# KiCad board Combined.kicad_pcb (continued)
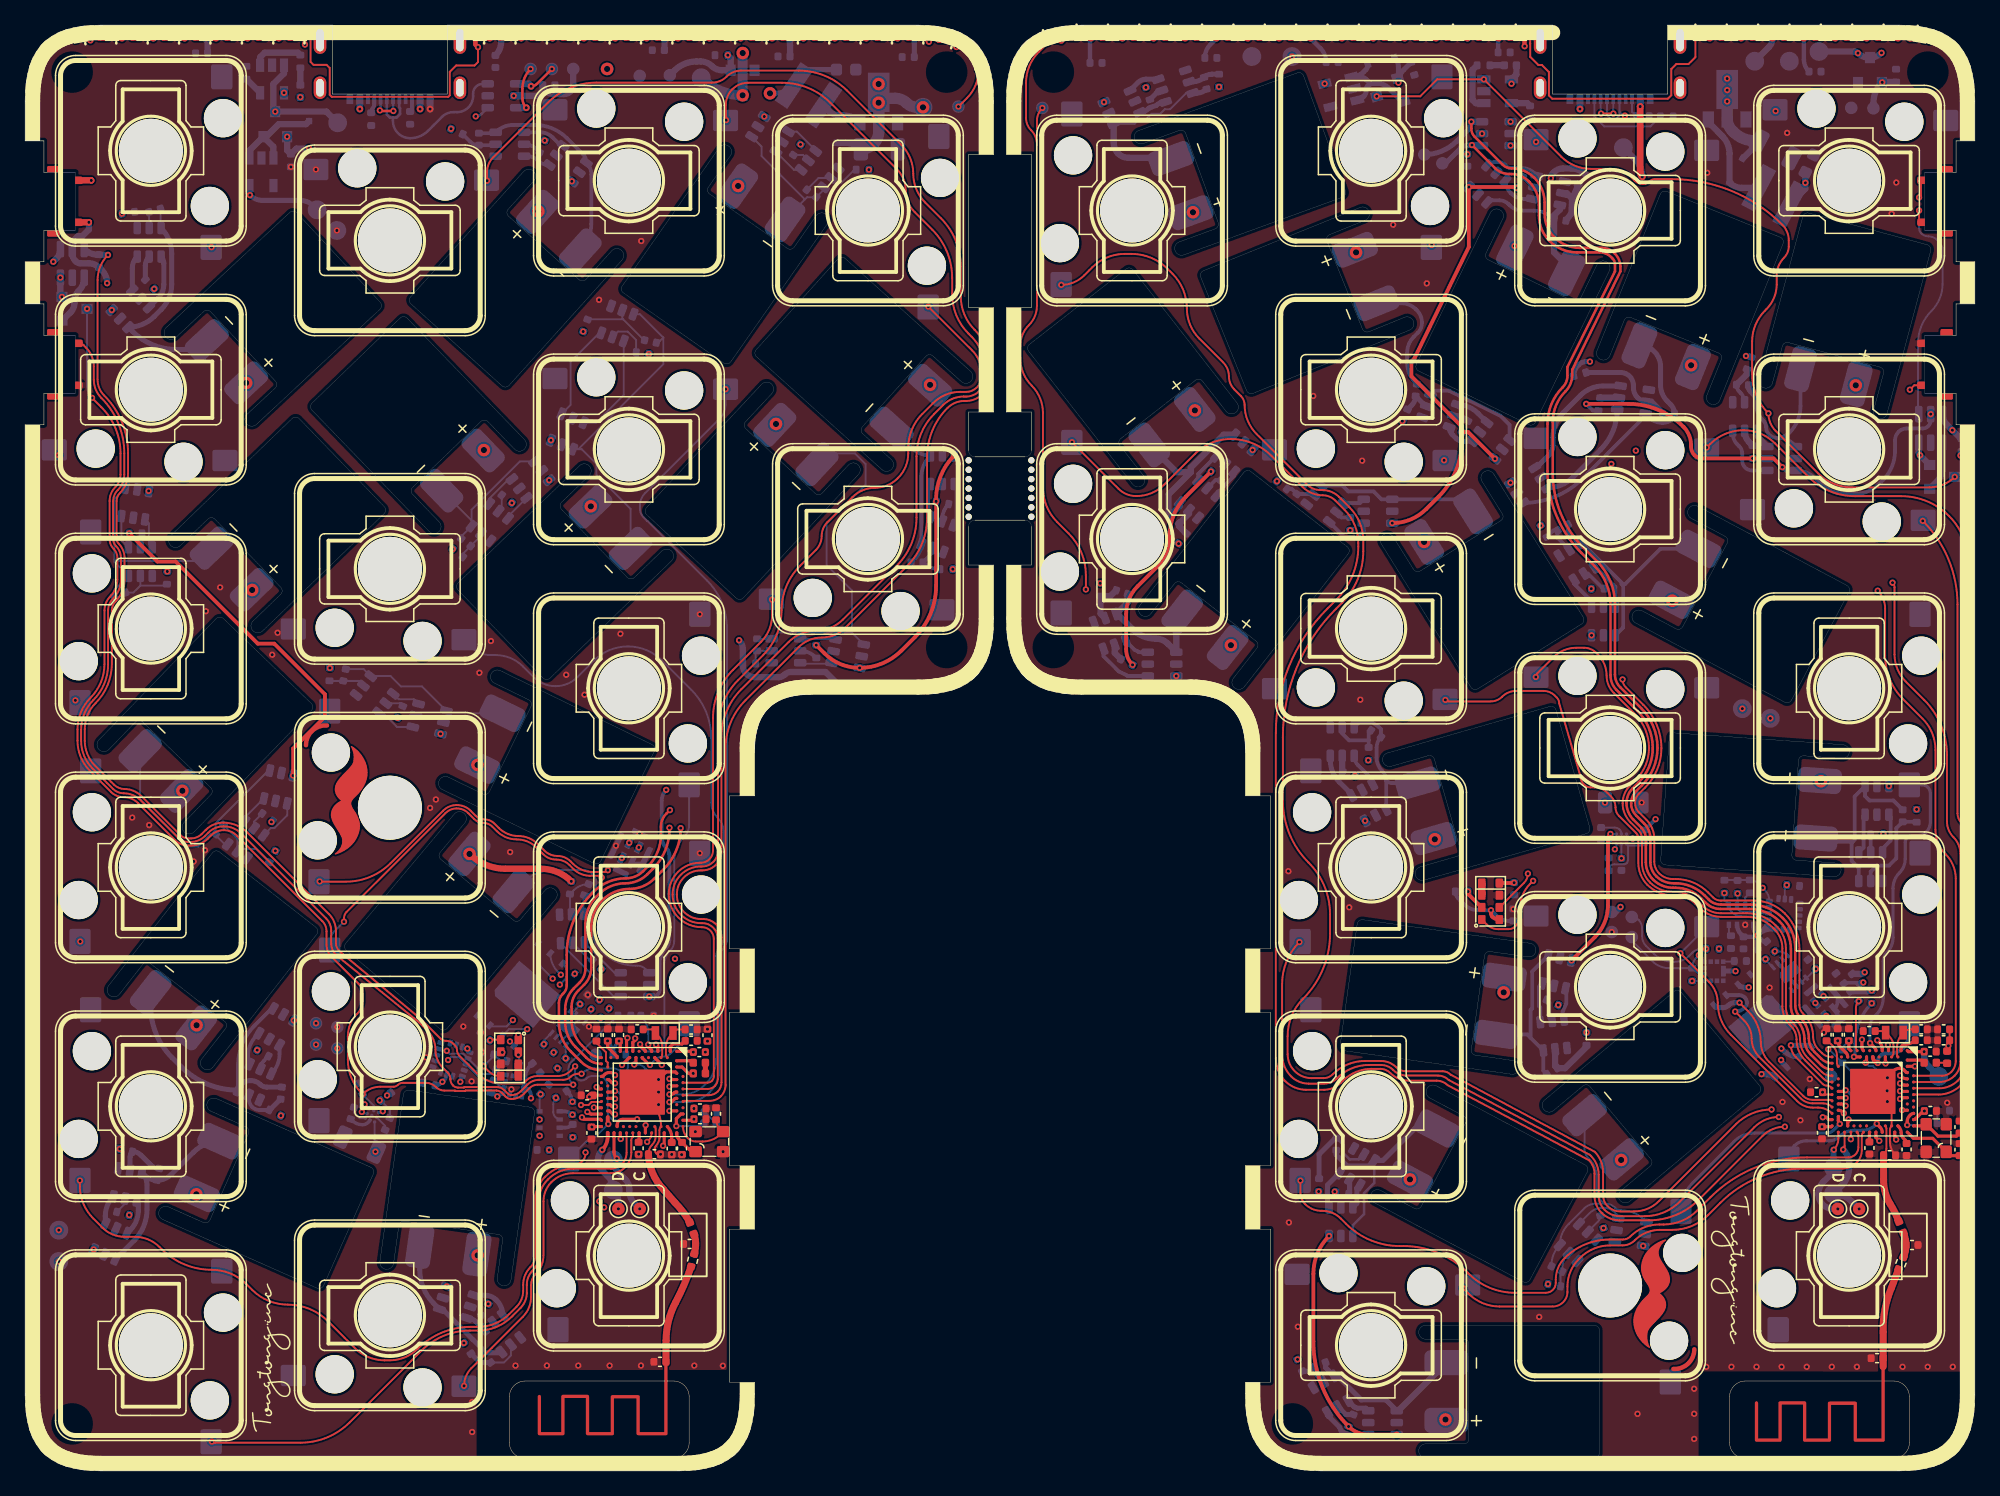
[diagram p0: board, top side]
## Placement (name value [footprint] x y rotation side) (continued)
R51#2  10K  [R_0402_1005Metric]  136.48 46.57 90 bottom
R52  10K  [R_0402_1005Metric]  42.76 32.51 230 bottom
R52#2  10K  [R_0402_1005Metric]  138.38 41.2 130 bottom
R53  10K  [R_0402_1005Metric]  41.74 33.7 320 bottom
R53#2  10K  [R_0402_1005Metric]  139.12 41.82 130 bottom
R54  10K  [R_0402_1005Metric]  38.87 32.54 164 bottom
R54#2  10K  [R_0402_1005Metric]  114.49 46.2 180 bottom
R55  10K  [R_0402_1005Metric]  37.04 32.15 166 bottom
R55#2  10K  [R_0402_1005Metric]  134.49 41.64 0 bottom
R56  10K  [R_0402_1005Metric]  37.24 30.65 256 bottom
R56#2  10K  [R_0402_1005Metric]  132.86 39.58 270 bottom
REF**  -  [TestPoint_Pad_D1.0mm]  144.47 20.89 270 top
REF**#2  -  [TestPoint_Pad_D1.0mm]  47.29 20.9 90 top
REF**#3  -  [TestPoint_Pad_D1.0mm]  48.99 20.9 90 top
REF**#4  -  [TestPoint_Pad_D1.0mm]  146.17 20.89 270 top
REF**#5  -  [TestPoint_Pad_D1.0mm]  46.39 111.8 90 bottom
REF**#6  -  [TestPoint_Pad_D1.5mm]  24.85 98.92 270 bottom
REF**#7  -  [TestPoint_Pad_D1.0mm]  48.99 111.25 270 bottom
REF**#8  -  [TestPoint_Pad_D1.0mm]  147.31 108.66 180 bottom
REF**#9  -  [TestPoint_Pad_D1.5mm]  142.97 113.19 90 bottom
REF**#10  -  [TestPoint_Pad_D1.5mm]  127.39 105.52 90 bottom
REF**#11  -  [TestPoint_Pad_D1.5mm]  46.89 24.8 180 bottom
REF**#12  -  [TestPoint_Pad_D1.0mm]  128.05 44.17 270 bottom
REF**#13  -  [TestPoint_Pad_D1.5mm]  24.91 107.51 270 bottom
REF**#14  -  [TestPoint_Pad_D1.5mm]  140.61 112.42 90 bottom
REF**#15  -  [TestPoint_Pad_D1.0mm]  24.89 35.4 270 bottom
REF**#16  -  [TestPoint_Pad_D1.5mm]  46.89 22.4 180 bottom
REF**#17  -  [TestPoint_Pad_D1.5mm]  139.09 60.01 90 bottom
REF**#18  -  [TestPoint_Pad_D1.5mm]  97.77 112.79 270 bottom
REF**#19  -  [TestPoint_Pad_D1.0mm]  111.52 104.97 64 bottom
REF**#20  -  [TestPoint_Pad_D1.0mm]  24.89 33.7 270 bottom
REF**#21  -  [TestPoint_Pad_D1.0mm]  128.05 42.57 270 bottom
REF**#22  -  [TestPoint_Pad_D1.5mm]  53.89 111.1 270 bottom
REF**#23  -  [TestPoint_Pad_D1.5mm]  100.97 112.79 270 bottom
REF**#24  -  [TestPoint_Pad_D1.5mm]  144.12 22.09 90 bottom
REF**#25  -  [TestPoint_Pad_D1.5mm]  2.69 19.2 90 bottom
REF**#26  -  [TestPoint_Pad_D1.5mm]  144.12 24.19 90 bottom
REF**#27  -  [TestPoint_Pad_D1.0mm]  43.69 111.8 90 bottom
REF**#28  -  [TestPoint_Pad_D1.0mm]  126.45 44.57 90 bottom
REF**#29  -  [TestPoint_Pad_D1.0mm]  126.45 42.97 90 bottom
REF**#30  -  [TestPoint_Pad_D1.0mm]  81.07 108.69 90 bottom
REF**#31  -  [TestPoint_Pad_D1.5mm]  2.69 16.7 90 bottom
REF**#32  -  [TestPoint_Pad_D1.0mm]  23.19 34 270 bottom
REF**#33  -  [TestPoint_Pad_D1.0mm]  45.49 33.2 0 bottom
REF**#34  -  [TestPoint_Pad_D1.0mm]  41.99 111.8 90 bottom
REF**#35  -  [TestPoint_Pad_D1.5mm]  136.87 60.79 90 bottom
REF**#36  -  [TestPoint_Pad_D1.0mm]  112.95 104.27 64 bottom
REF**#37  -  [TestPoint_Pad_D1.5mm]  71.56 108.74 270 bottom
REF**#38  -  [TestPoint_Pad_D1.0mm]  145.55 108.7 180 bottom
REF**#39  -  [TestPoint_Pad_D1.0mm]  23.19 35.7 270 bottom
REF**#40  -  [TestPoint_Pad_D1.5mm]  152.52 31.46 90 bottom
REF**#41  -  [TestPoint_Pad_D1.0mm]  74.39 108.8 270 bottom
REF**#42  -  [TestPoint_Pad_D1.5mm]  137.85 112.42 90 bottom
REF**#43  -  [TestPoint_Pad_D1.0mm]  143.95 31.47 180 bottom
REF**#44  -  [TestPoint_Pad_D1.0mm]  51.39 111.3 270 bottom
REF**#45  -  [TestPoint_Pad_D1.5mm]  23.28 100.57 270 bottom
REF**#46  -  [TestPoint_Pad_D1.0mm]  40.29 111.8 90 bottom
TH1  Thermistor_NTC  [R_0402_1005Metric]  28.76 29.85 38 bottom
TH1#2  Thermistor_NTC  [R_0402_1005Metric]  129.03 50.6 90 bottom
U1  AP2112K-3.3  [SOT-23-5]  104.87 109.97 194 bottom
U1#2  AP2112K-3.3  [SOT-23-5]  18.84 103.6 270 bottom
U2  -  [Button]  151.4 101.25 270 top
U2#2  -  [Button]  4 101.25 90 top
U3  MAX16054  [SOT-23-6]  151.87 83.13 270 bottom
U3#2  MAX16054  [SOT-23-6]  3.76 96.3 270 bottom
U4  WS2812B_-_1010  [Led-ARGB]  4.34 114.45 100 top
U4#2  WS2812B_-_1010  [Led-ARGB]  151.06 114.45 260 top
U5  WS2812B_-_1010  [Led-ARGB]  6.92 114.58 90 top
U5#2  WS2812B_-_1010  [Led-ARGB]  148.47 114.59 270 top
U6  WS2812B_-_1010  [Led-ARGB]  145.97 114.59 270 top
U6#2  WS2812B_-_1010  [Led-ARGB]  9.42 114.58 90 top
U7  WS2812B_-_1010  [Led-ARGB]  11.92 114.58 90 top
U7#2  WS2812B_-_1010  [Led-ARGB]  143.47 114.59 270 top
U8  WS2812B_-_1010  [Led-ARGB]  140.97 114.59 270 top
U8#2  WS2812B_-_1010  [Led-ARGB]  14.42 114.58 90 top
U9  WS2812B_-_1010  [Led-ARGB]  16.93 114.58 90 top
U9#2  WS2812B_-_1010  [Led-ARGB]  138.47 114.59 270 top
U10  WS2812B_-_1010  [Led-ARGB]  19.43 114.58 90 top
U10#2  WS2812B_-_1010  [Led-ARGB]  135.97 114.59 270 top
U11  WS2812B_-_1010  [Led-ARGB]  133.47 114.59 270 top
U11#2  WS2812B_-_1010  [Led-ARGB]  21.92 114.58 90 top
U12  WS2812B_-_1010  [Led-ARGB]  36.24 114.58 90 top
U12#2  WS2812B_-_1010  [Led-ARGB]  119.15 114.59 270 top
U13  WS2812B_-_1010  [Led-ARGB]  116.65 114.59 270 top
U13#2  WS2812B_-_1010  [Led-ARGB]  38.74 114.58 90 top
U14  WS2812B_-_1010  [Led-ARGB]  114.15 114.59 270 top
U14#2  WS2812B_-_1010  [Led-ARGB]  41.24 114.58 90 top
U15  WS2812B_-_1010  [Led-ARGB]  111.65 114.59 270 top
U15#2  WS2812B_-_1010  [Led-ARGB]  43.74 114.58 90 top
U16  WS2812B_-_1010  [Led-ARGB]  109.15 114.59 270 top
U16#2  WS2812B_-_1010  [Led-ARGB]  46.24 114.58 90 top
U17  WS2812B_-_1010  [Led-ARGB]  106.65 114.59 270 top
U17#2  WS2812B_-_1010  [Led-ARGB]  48.74 114.58 90 top
U18  WS2812B_-_1010  [Led-ARGB]  104.15 114.59 270 top
U18#2  WS2812B_-_1010  [Led-ARGB]  51.24 114.58 90 top
U19  WS2812B_-_1010  [Led-ARGB]  101.65 114.59 270 top
U19#2  WS2812B_-_1010  [Led-ARGB]  53.74 114.58 90 top
U20  WS2812B_-_1010  [Led-ARGB]  99.15 114.59 270 top
U20#2  WS2812B_-_1010  [Led-ARGB]  56.24 114.58 90 top
U21  WS2812B_-_1010  [Led-ARGB]  58.74 114.58 90 top
U21#2  WS2812B_-_1010  [Led-ARGB]  96.65 114.59 270 top
U22  WS2812B_-_1010  [Led-ARGB]  61.24 114.58 90 top
U22#2  WS2812B_-_1010  [Led-ARGB]  94.15 114.59 270 top
U23  WS2812B_-_1010  [Led-ARGB]  63.74 114.58 90 top
U23#2  WS2812B_-_1010  [Led-ARGB]  91.65 114.59 270 top
U24  WS2812B_-_1010  [Led-ARGB]  89.15 114.59 270 top
U24#2  WS2812B_-_1010  [Led-ARGB]  66.24 114.58 90 top
U25  WS2812B_-_1010  [Led-ARGB]  86.65 114.59 270 top
U25#2  WS2812B_-_1010  [Led-ARGB]  68.74 114.58 90 top
U26  WS2812B_-_1010  [Led-ARGB]  71.24 114.58 90 top
U26#2  WS2812B_-_1010  [Led-ARGB]  84.15 114.59 270 top
U27  WS2812B_-_1010  [Led-ARGB]  73.7 114.28 72 top
U27#2  WS2812B_-_1010  [Led-ARGB]  81.69 114.28 288 top
U28  USBLC6-2SC6  [SOT-23-6-Small]  117.25 106.64 180 bottom
U28#2  USBLC6-2SC6  [SOT-23-6-Small]  38.01 109.66 0 bottom
U29  -  [Button]  4 88.25 90 top
U29#2  -  [Button]  151.4 88.25 270 top
U30  nRF52840_aQFN73  [AQFN-73-1EP_7x7mm_P0.5mm_NRF52840-custom]  147.26 30.26 270 top
U30#2  nRF52840_aQFN73  [AQFN-73-1EP_7x7mm_P0.5mm_NRF52840-custom]  49.19 30.21 270 top
U31  MAX17055  [WLP-9_1.448x1.468mm_Layout3x3_P0.4mm_Ball0.27mm_Pad0.25mm]  27.64 28.35 248 bottom
U31#2  MAX17055  [WLP-9_1.448x1.468mm_Layout3x3_P0.4mm_Ball0.27mm_Pad0.25mm]  127.23 50.4 90 bottom
U32  BL8530_501SM  [SOT-89-3]  135.65 109.42 90 bottom
U32#2  BL8530_501SM  [SOT-89-3]  68.04 109.2 90 bottom
U33  TP4054  [SOT-23-5]  19.69 111 270 bottom
U33#2  TP4054  [SOT-23-5]  117.36 110.02 0 bottom
U34  LSM6DS33  [LGA-16_3x3mm_P0.5mm_LayoutBorder3x5y]  33.99 32.8 162 bottom
U34#2  LSM6DS33  [LGA-16_3x3mm_P0.5mm_LayoutBorder3x5y]  140.16 44.38 356 bottom
U35  BMP280  [Bosch_LGA-8_2x2.5mm_P0.65mm_ClockwisePinNumbering]  41.81 27.7 90 bottom
U35#2  BMP280  [Bosch_LGA-8_2x2.5mm_P0.65mm_ClockwisePinNumbering]  136.76 44.35 180 bottom
U36  SHT30-DIS  [Sensirion_DFN-8-1EP_2.5x2.5mm_P0.5mm_EP1.1x1.7mm]  140.62 39.75 310 bottom
U36#2  SHT30-DIS  [Sensirion_DFN-8-1EP_2.5x2.5mm_P0.5mm_EP1.1x1.7mm#2]  43.29 35.35 50 bottom
U37  -  [APDS-9960]  38.61 32.94 0 top
U37#2  -  [APDS-9960]  116.8 45.42 180 top
U38  PDM_Mic  [SPK0415HM4H]  143.44 37.07 40 bottom
U38#2  PDM_Mic  [SPK0415HM4H]  48.24 49.3 334 bottom
U39  GD25Q  [WSON8]  138.48 35.48 310 bottom
U39#2  GD25Q  [WSON8]  39.94 38 50 bottom
U40  LIS3MDL  [LGA-12_2x2mm_P0.5mm]  38.99 30.7 260 bottom
U40#2  LIS3MDL  [LGA-12_2x2mm_P0.5mm]  134.59 39.85 270 bottom
X1  32.768 kHz  [Crystal_SMD_2012-2Pin_2.0x1.2mm]  50.94 34.93 180 top
X1#2  32.768 kHz  [Crystal_SMD_2012-2Pin_2.0x1.2mm]  148.98 34.95 180 top
X2  32MHZ  [crystal 32mhz]  152.31 26.54 90 top
X2#2  32MHZ  [crystal 32mhz]  54.54 26.26 0 top

## Library data of the parts
X1 X1#2 = -: Digikey: 728-1075-1-ND; JLC Part: C93231; LCSC Part: C97607; Manufacturer Part: SC20S-12.5PF20PPM

## Footprints (pads in the part's own frame, mm; a bottom-side part is the same pattern mirrored in y, then rotated)
2.4GHz-meander-antenna-v2
  custom 10.346x5.981 smd: 1(0,0)
APDS-9960
  rrect 0.6x0.72 smd: 1(0.7,1.455) 2(0.7,0.485) 3(0.7,-0.485) 4(0.7,-1.455) 5(-0.7,-1.455) 6(-0.7,-0.485) 7(-0.7,0.485) 8(-0.7,1.455)
AQFN-73-1EP_7x7mm_P0.5mm_NRF52840-custom
  rrect 0.575x0.575 smd: (-1.5,1.5) (-1.5,0.5) (-1.5,-0.5) (-1.5,-1.5) (-0.5,1.5) (-0.5,0.5) (-0.5,-0.5) (-0.5,-1.5) (0.5,1.5) (0.5,0.5) (0.5,-0.5) (0.5,-1.5) (1.5,1.5) (1.5,0.5) (1.5,-0.5) (1.5,-1.5)
  round 0.25 smd: A8(-1.25,3.25) A10(-0.75,3.25) A12(-0.25,3.25) A14(0.25,3.25) A16(0.75,3.25) A18(1.25,3.25) A20(1.75,3.25) A22(2.25,3.25) A23(2.75,3.25) AA24(3.25,-2.25) AB2(-2.75,-2.5) AC5(-2,-2.75) AC9(-1,-2.75) AC11(-0.5,-2.75) AC13(0,-2.75) AC15(0.5,-2.75) AC17(1,-2.75) AC19(1.5,-2.75) AC21(2,-2.75) AC24(3.25,-2.75) AD2(-2.75,-3.25) AD4(-2.25,-3.25) AD6(-1.75,-3.25) AD8(-1.25,-3.25) AD10(-0.75,-3.25) AD12(-0.25,-3.25) AD14(0.25,-3.25) AD16(0.75,-3.25) AD18(1.25,-3.25) AD20(1.75,-3.25) AD22(2.25,-3.25) AD23(2.75,-3.25) B1(-3.25,2.75) B3(-2.5,2.75) B5(-2,2.75) B7(-1.5,2.75) B9(-1,2.75) B11(-0.5,2.75) B13(0,2.75) B15(0.5,2.75) B17(1,2.75) B19(1.5,2.75) B24(3.25,2.75) C1(-3.25,2.25) D2(-2.75,2) D23(2.75,2) E24(3.25,1.75) F2(-2.75,1.5) F23(2.75,1.5) G1(-3.25,1.25) H2(-2.75,1) H23(2.75,1) J1(-3.25,0.75) J24(3.25,0.75) K2(-2.75,0.5) L1(-3.25,0.25) L24(3.25,0.25) M2(-2.75,0) N1(-3.25,-0.25) N24(3.25,-0.25) P2(-2.75,-0.5) P23(2.75,-0.5) R1(-3.25,-0.75) R24(3.25,-0.75) T2(-2.75,-1) T23(2.75,-1) U1(-3.25,-1.25) U24(3.25,-1.25) V23(2.75,-1.5) W1(-3.25,-1.75) W24(3.25,-1.75) Y2(-2.75,-2) Y23(2.75,-2)
  rect 3.6x3.6 smd: EP(0,0)
BatteryV2
  rrect 2x3.5 smd far side: 1(2.775,-12) 2(7.375,-12)
Bosch_LGA-8_2x2.5mm_P0.65mm_ClockwisePinNumbering
  rect 0.35x0.5 smd: 1(-0.975,0.8) 2(-0.325,0.8) 3(0.325,0.8) 4(0.975,0.8) 5(0.975,-0.8) 6(0.325,-0.8) 7(-0.325,-0.8) 8(-0.975,-0.8)
Button
  rrect 0.5x1 smd: 1(2.57,1.75) 4(-2.57,1.75)
  rrect 0.6x0.6 smd: 2(-1.675,-0.3) 3(1.675,-0.3)
C_0402_1005Metric
  rrect 0.56x0.62 smd: 1(-0.48,0) 2(0.48,0)
C_0603_1608Metric
  rrect 0.9x0.95 smd: 1(-0.775,0) 2(0.775,0)
C_1206_3216Metric
  rrect 1.15x1.8 smd: 1(-1.475,0) 2(1.475,0)
crystal 32mhz
  rrect 1x0.9 smd: 1(-1.1,-0.8) 2(1.1,-0.8) 3(1.1,0.8) 4(-1.1,0.8)
Crystal_SMD_2012-2Pin_2.0x1.2mm
  rect 0.6x1.1 smd: 1(-0.7,0) 2(0.7,0)
D_SOD-323F
  rect 0.5x0.5 smd: 1(-1.1,0) 2(1.1,0)
GateronHotswap
  round 3.05 hole 3.05 unplated: (-4.4,-4.7) (2.6,-5.75)
  round 5.1 hole 5.1 unplated: (0,0)
  rrect 2x1.7 smd far side: 1(5.901,-5.65) 2(-7.701,-4.8)
L_0402_1005Metric
  rrect 0.59x0.64 smd: 1(-0.485,0) 2(0.485,0)
L_Taiyo-Yuden_NR-40xx
  rect 1.2x3.7 smd: 1(-1.4,0) 2(1.4,0)
Led-ARGB
  rrect 0.35x0.35 smd: 1(-0.35,0.35) 2(0.35,0.35) 3(-0.35,-0.35) 4(0.35,-0.35)
LED_0402_1005Metric
  rrect 0.59x0.64 smd: 1(-0.485,0) 2(0.485,0)
LGA-12_2x2mm_P0.5mm
  rect 0.375x0.35 smd: 1(-0.762,0.75) 2(-0.762,0.25) 3(-0.762,-0.25) 4(-0.762,-0.75) 7(0.762,-0.75) 8(0.762,-0.25) 9(0.762,0.25) 10(0.762,0.75)
  rect 0.35x0.375 smd: 5(-0.25,-0.762) 6(0.25,-0.762) 11(0.25,0.762) 12(-0.25,0.762)
LGA-16_3x3mm_P0.5mm_LayoutBorder3x5y
  rrect 0.55x0.35 smd: 1(-1.225,1) 2(-1.225,0.5) 3(-1.225,0) 4(-1.225,-0.5) 5(-1.225,-1) 9(1.225,-1) 10(1.225,-0.5) 11(1.225,0) 12(1.225,0.5) 13(1.225,1)
  rrect 0.35x0.55 smd: 6(-0.5,-1.225) 7(0,-1.225) 8(0.5,-1.225) 14(0.5,1.225) 15(0,1.225) 16(-0.5,1.225)
R_0402_1005Metric
  rrect 0.54x0.64 smd: 1(-0.51,0) 2(0.51,0)
R_1206_3216Metric
  rrect 1.125x1.75 smd: 1(-1.462,0) 2(1.462,0)
Sensirion_DFN-8-1EP_2.5x2.5mm_P0.5mm_EP1.1x1.7mm
  custom 0.9x1.6 smd: (0,0)
  rect 0.55x0.25 smd: 1(-1.175,0.75) 2(-1.175,0.25) 3(-1.175,-0.25) 4(-1.175,-0.75) 5(1.175,-0.75) 6(1.175,-0.25) 7(1.175,0.25) 8(1.175,0.75)
  custom 1x1.7 smd: 9(0,0)
Sensirion_DFN-8-1EP_2.5x2.5mm_P0.5mm_EP1.1x1.7mm#2
  custom 0.9x1.6 smd: (0,0)
  rect 0.55x0.25 smd: 1(-1.175,0.75) 2(-1.175,0.25) 3(-1.175,-0.25) 4(-1.175,-0.75) 5(1.175,-0.75) 6(1.175,-0.25) 7(1.175,0.25) 8(1.175,0.75)
  custom 1x1.7 smd: 9(0,0)
SolderBridge
  custom 1.725x1.5 smd: 1(-0.975,0.5) 2(0.975,-0.5)
SOT-23
  rect 0.9x0.8 smd: 1(-1,0.95) 2(-1,-0.95) 3(1,0)
SOT-23-5
  rect 1.06x0.65 smd: 1(-1.1,0.95) 2(-1.1,0) 3(-1.1,-0.95) 4(1.1,-0.95) 5(1.1,0.95)
SOT-23-6
  rrect 1.325x0.6 smd: 1(-1.137,0.95) 2(-1.137,0) 3(-1.137,-0.95) 4(1.137,-0.95) 5(1.137,0) 6(1.137,0.95)
SOT-23-6-Small
  rrect 1x0.6 smd: 1(-1.137,0.95) 2(-1.137,0) 3(-1.137,-0.95) 4(1.137,-0.95) 5(1.137,0) 6(1.137,0.95)
SOT-23-6-Small#2
  rrect 1x0.6 smd: 1(-1.137,0.95) 2(-1.137,0) 3(-1.137,-0.95) 4(1.137,-0.95) 5(1.137,0) 6(1.137,0.95)
SOT-89-3
  rect 1.3x0.9 smd: 1(-1.65,1.5) 3(-1.65,-1.5)
  custom 4.6x1.733 smd: 2(-1.562,0)
SPK0415HM4H
  rrect 0.45x0.95 smd: 1(0.425,-0.675) 2(0.425,0.675) 3(-0.425,0.675) 4(-0.425,-0.675)
  rrect 1.3x0.45 smd: 5(0,-1.688) 7(0,1.688)
  rrect 0.45x2.3 smd: 6(1.275,0.05) 8(-1.275,0)
TestPoint_Pad_D1.0mm
  round 1 smd: 1(0,0)
TestPoint_Pad_D1.5mm
  round 1.5 smd: 1(0,0)
unnamed
  round 0.5 hole 0.5 unplated: (0,0)
USB-C_C168688
  rect 0.54x0.8 smd: A1(-3.205,-0.4) A1(3.195,-0.4) A4(-2.405,-0.4) A4(2.395,-0.4)
  rect 0.3x0.8 smd: A5(1.245,-0.4) A6(0.245,-0.4) A7(-0.255,-0.4) A8(-1.255,-0.4) B5(-1.755,-0.4) B6(-0.755,-0.4) B7(0.745,-0.4) B8(1.753,-0.4)
  oval 1x2.2 hole 0.6x1.8: S1(-5.58,4.3) S2(5.57,4.3)
  oval 1x1.8 hole 0.6x1.4: S3(5.571,0.5) S4(-5.58,0.5)
WLP-9_1.448x1.468mm_Layout3x3_P0.4mm_Ball0.27mm_Pad0.25mm
  round 0.27 smd: A1(-0.4,0.4) A2(0,0.4) A3(0.4,0.4) B1(-0.4,0) B2(0,0) B3(0.4,0) C1(-0.4,-0.4) C2(0,-0.4) C3(0.4,-0.4)
WSON8
  rrect 0.6x0.4 smd: 1(-3.75,1.905) 2(-3.75,0.635) 3(-3.75,-0.635) 4(-3.77,-1.905) 5(3.73,-1.905) 6(3.75,-0.635) 7(3.75,0.635) 8(3.75,1.905)
  rrect 3.4x4.3 smd: 9(0,0)

## Nets
/ExtVcc/GND_EN: Q33.1 Q33#2.1 R46.1 R46#2.1 REF**#8.1 REF**#44.1 U30.R1 U30#2.R1
/Filter&Reg/VBAT: C42.1 C42#2.1 Q1.3 Q1#2.3 Q2.3 Q2#2.3 R40.1 R40#2.1 REF**#13.1 REF**#23.1 U31.B1 U31#2.B1 U33.3 U33#2.3
GND: C16.1 C16#2.1 C17.1 C17#2.1 C18.1 C18#2.1 C19.1 C19#2.1 C20.1 C20#2.1 C21.2 C21#2.2 C22.2 C22#2.2 C23.2 C23#2.2 C24.1 C24#2.1 C25.1 C25#2.1 C26.1 C26#2.1 C27.1 C27#2.1 C28.1 C28#2.1 C29.2 C29#2.2 C30.2 C30#2.2 C31.1 C31#2.1 C32.1 C32#2.1 C33.1 C33#2.1 C34.1 C34#2.1 C35.1 C35#2.1 C36.1 C36#2.1 C37.1 C37#2.1 C38.2 C38#2.2 C39.1 C39#2.1 C40.2 C40#2.2 C41.1 C41#2.1 C42.2 C42#2.2 C43.2 C43#2.2 C44.2 C44#2.2 C45.1 C45#2.1 C46.2 C46#2.2 C47.1 C47#2.1 C48.1 C48#2.1 C49.2 C49#2.2 J1.A1 J1#2.A1 K1.1 K1#2.2 K2.2 K2#2.2 K3.1 K3#2.2 K4.1 K4#2.2 K5.1 K5#2.1 K6.1 K6#2.2 K7.1 K7#2.2 K8.1 K8#2.2 K9.1 K9#2.2 K10.2 K10#2.2 K11.1 K11#2.1 K12.1 K12#2.2 K13.2 K13#2.1 K14.2 K14#2.1 K15.2 K15#2.1 K16.1 K16#2.1 K17.1 K17#2.2 K18.1 K18#2.1 Q33.2 Q33#2.2 R1.2 R1#2.2 R33.2 R33#2.2 R34.2 R34#2.2 R38.2 R38#2.2 R41.2 R41#2.2 R42.2 R42#2.2 R45.2 R45#2.2 R46.2 R46#2.2 R47.2 R47#2.2 R50.1 R50#2.1 REF**#6.1 REF**#7.1 REF**#14.1 REF**#15.1 REF**#18.1 REF**#29.1 REF**#33.1 REF**#38.1 REF**#43.1 U1.2 U1#2.2 U28.2 U28#2.2 U29.2 U29#2.2 U30.B7 U30.EP U30.F23 U30#2.B7 U30#2.EP U30#2.F23 U31.A3 U31#2.A3 U32.1 U32#2.1 U33.2 U33#2.2 U34.4 U34.8 U34.9 U34.10 U34.11 U34.12 U34.13 U34.15 U34#2.4 U34#2.8 U34#2.9 U34#2.10 U34#2.11 U34#2.12 U34#2.13 U34#2.15 U35.1 U35.7 U35#2.1 U35#2.7 U36.2 U36.7 U36.8 U36.9 U36#2.2 U36#2.7 U36#2.8 U36#2.9 U37.6 U37#2.6 U38.2 U38.5 U38.6 U38.7 U38.8 U38#2.2 U38#2.5 U38#2.6 U38#2.7 U38#2.8 U39.4 U39#2.4 U40.2 U40.3 U40.9 U40.12 U40#2.2 U40#2.3 U40#2.9 U40#2.12 X2.2 X2.4 X2#2.2 X2#2.4
GND1: Q3.3 Q3#2.3 Q4.3 Q4#2.3 Q5.3 Q5#2.3 Q6.3 Q6#2.3 Q7.3 Q7#2.3 Q8.3 Q8#2.3 Q9.3 Q9#2.3 Q10.3 Q10#2.3 Q19.3 Q19#2.3 Q20.3 Q20#2.3 Q21.3 Q21#2.3 Q22.3 Q22#2.3 Q27.3 Q27#2.3 Q28.3 Q28#2.3 Q29.3 R2.2 R2#2.2 R3.1 R3#2.1 R4.1 R4#2.1 R5.1 R5#2.1 R6.1 R6#2.1 R7.1 R7#2.1 R8.1 R8#2.1 R9.1 R9#2.1 R10.1 R10#2.1 R19.1 R19#2.1 R20.1 R20#2.1 R21.1 R21#2.1 R22.1 R22#2.1 R27.1 R27#2.1 R28.1 R28#2.1 R29.1 R42.1 R42#2.1 REF**#17.1 REF**#31.1 TH1.2 TH1#2.2 U2.2 U2#2.2 U3.2 U3#2.2 U31.C3 U31#2.C3
VBUS: C21.1 C21#2.1 D1.2 D1#2.2 D4.2 D4#2.2 J1.A4 J1#2.A4 Q1.1 Q1#2.1 R1.1 R1#2.1 REF**#10.1 REF**#27.1 U28.5 U28#2.5 U30.AD2 U30#2.AD2 U33.4 U33#2.4
/BAROMETRIC/CSB: R48.1 R48#2.1 U35.2 U35#2.2
/BAROMETRIC/NRF_VDD: C24.2 C24#2.2 C25.2 C25#2.2 C28.2 C28#2.2 C31.2 C31#2.2 C32.2 C32#2.2 C33.2 C33#2.2 C43.1 C43#2.1 C45.2 C45#2.2 C46.1 C46#2.1 C47.2 C47#2.2 C48.2 C48#2.2 L4.1 L4#2.1 R35.2 R35#2.2 R36.2 R36#2.2 R37.2 R37#2.2 R48.2 R48#2.2 R49.2 R49#2.2 R51.2 R51#2.2 R52.2 R52#2.2 R53.2 R53#2.2 R54.2 R54#2.2 R55.2 R55#2.2 R56.2 R56#2.2 REF**#28.1 REF**#39.1 REF**#40.1 REF**#45.1 U1.5 U1#2.5 U30.A22 U30.AD14 U30.AD23 U30.B1 U30.W1 U30.Y2 U30#2.A22 U30#2.AD14 U30#2.AD23 U30#2.B1 U30#2.W1 U30#2.Y2 U34.1 U34.5 U34.16 U34#2.1 U34#2.5 U34#2.16 U35.6 U35.8 U35#2.6 U35#2.8 U36.5 U36.6 U36#2.5 U36#2.6 U37.5 U37.8 U37#2.5 U37#2.8 U38.1 U38#2.1 U39.8 U39#2.8 U40.5 U40.6 U40.10 U40#2.5 U40#2.6 U40#2.10
/BAROMETRIC/SDO: R50.2 R50#2.2 U35.5 U35#2.5
/FLASH/QSPI_CS: U30.AD16 U30#2.AD16 U39.1 U39#2.1
/FLASH/QSPI_DATA0: U30.AD12 U30#2.AD12 U39.5 U39#2.5
/FLASH/QSPI_DATA1: U30.AD18 U30#2.AD18 U39.2 U39#2.2
/FLASH/QSPI_DATA2: U30.AC19 U30#2.AC19 U39.3 U39#2.3
/FLASH/QSPI_DATA3: U30.AC17 U30#2.AC17 U39.7 U39#2.7
/FLASH/QSPI_SCK: U30.AC15 U30#2.AC15 U39.6 U39#2.6
/FuelGauge/BatteryPin: R40.2 R40#2.2 R41.1 R41#2.1 U30.J1 U30#2.J1
/Gyro/Gyro_Interupt: R47.1 R47#2.1 U30.B19 U30#2.B19 U34.7 U34#2.7
/LEDLane/DIN: REF**#30.1 REF**#41.1 U27.4 U27#2.4 U30.W24 U30#2.W24
/LEDLane/Led_Ground: Q33.3 Q33#2.3 REF**#9.1 REF**#22.1 U4.3 U4#2.3 U5.3 U5#2.3 U6.3 U6#2.3 U7.3 U7#2.3 U8.3 U8#2.3 U9.3 U9#2.3 U10.3 U10#2.3 U11.3 U11#2.3 U12.3 U12#2.3 U13.3 U13#2.3 U14.3 U14#2.3 U15.3 U15#2.3 U16.3 U16#2.3 U17.3 U17#2.3 U18.3 U18#2.3 U19.3 U19#2.3 U20.3 U20#2.3 U21.3 U21#2.3 U22.3 U22#2.3 U23.3 U23#2.3 U24.3 U24#2.3 U25.3 U25#2.3 U26.3 U26#2.3 U27.3 U27#2.3
/LEDLane/Led_Vin: C16.2 C16#2.2 C17.2 C17#2.2 C18.2 C18#2.2 C19.2 C19#2.2 C20.2 C20#2.2 C44.1 C44#2.1 D3.1 D3#2.1 REF**#5.1 REF**#37.1 REF**#42.1 U4.2 U4#2.2 U5.2 U5#2.2 U6.2 U6#2.2 U7.2 U7#2.2 U8.2 U8#2.2 U9.2 U9#2.2 U10.2 U10#2.2 U11.2 U11#2.2 U12.2 U12#2.2 U13.2 U13#2.2 U14.2 U14#2.2 U15.2 U15#2.2 U16.2 U16#2.2 U17.2 U17#2.2 U18.2 U18#2.2 U19.2 U19#2.2 U20.2 U20#2.2 U21.2 U21#2.2 U22.2 U22#2.2 U23.2 U23#2.2 U24.2 U24#2.2 U25.2 U25#2.2 U26.2 U26#2.2 U27.2 U27#2.2 U32.2 U32#2.2
/LIGHT/APDS_IRQ: R54.1 R54#2.1 U30.AD22 U30#2.AD22 U37.2 U37#2.2
/MCU/BatOffPin: R2.1 R2#2.1 U3.3 U3#2.3 U30.Y23 U30#2.Y23
/MCU/D+: REF**#34.1 REF**#36.1 U28.4 U28#2.4 U30.AD6 U30#2.AD6
/MCU/D-: REF**#19.1 REF**#46.1 U28.6 U28#2.6 U30.AD4 U30#2.AD4
/MCU/PDM_CLK: U30.H2 U30#2.H2 U38.3 U38#2.3
/MCU/PDM_DAT: U30.G1 U30#2.G1 U38.4 U38#2.4
/MCU/SWC: REF**#3.1 REF**#4.1 REF**#11.1 REF**#24.1 U30.AA24 U30#2.AA24
/MCU/SWD: REF**.1 REF**#2.1 REF**#16.1 REF**#26.1 U30.AC24 U30#2.AC24
B1-: B1.1 B1#2.1 C1.2 C1#2.2 Q3.1 Q3#2.1 Q11.6 Q11#2.6
B2-: B2.1 B2#2.1 C2.2 C2#2.2 Q4.1 Q4#2.1 Q12.6 Q12#2.6
B3-: B3.1 B3#2.1 C3.2 C3#2.2 Q5.1 Q5#2.1 Q13.6 Q13#2.6
B4-: B4.1 B4#2.1 C4.2 C4#2.2 Q6.1 Q6#2.1 Q14.6 Q14#2.6
B5-: B5.1 B5#2.1 C5.2 C5#2.2 Q7.1 Q7#2.1 Q15.6 Q15#2.6
B6-: B6.1 B6#2.1 C6.2 C6#2.2 Q8.1 Q8#2.1 Q16.6 Q16#2.6
B7-: B7.1 B7#2.1 C7.2 C7#2.2 Q9.1 Q9#2.1 Q17.6 Q17#2.6
B8-: B8.1 B8#2.1 C8.2 C8#2.2 Q10.1 Q10#2.1 Q18.6 Q18#2.6
B9-: B9.1 B9#2.1 C9.2 C9#2.2 Q19.1 Q19#2.1 Q23.6 Q23#2.6
B10-: B10.1 B10#2.1 C10.2 C10#2.2 Q20.1 Q20#2.1 Q24.6 Q24#2.6
B11-: B11.1 B11#2.1 C11.2 C11#2.2 Q21.1 Q21#2.1 Q25.6 Q25#2.6
B12-: B12.1 B12#2.1 C12.2 C12#2.2 Q22.1 Q22#2.1 Q26.6 Q26#2.6
B13-: B13.1 B13#2.1 C13.2 C13#2.2 Q27.1 Q27#2.1 Q30.6 Q30#2.6
B14-: B14.1 B14#2.1 C14.2 C14#2.2 Q28.1 Q28#2.1 Q31.6 Q31#2.6
B+: B1.2 B1#2.2 B2.2 B2#2.2 B3.2 B3#2.2 B4.2 B4#2.2 B5.2 B5#2.2 B6.2 B6#2.2 B7.2 B7#2.2 B8.2 B8#2.2 B9.2 B9#2.2 B10.2 B10#2.2 B11.2 B11#2.2 B12.2 B12#2.2 B13.2 B13#2.2 B14.2 B14#2.2 B15.2 Q2.2 Q2#2.2 R11.1 R11#2.1 R12.1 R12#2.1 R13.1 R13#2.1 R14.1 R14#2.1 R15.1 R15#2.1 R16.1 R16#2.1 R17.1 R17#2.1 R18.1 R18#2.1 R23.1 R23#2.1 R24.1 R24#2.1 R25.1 R25#2.1 R26.1 R26#2.1 R30.1 R30#2.1 R31.1 R31#2.1 R32.1 REF**#25.1 REF**#35.1 U3.6 U3#2.6
CC1: J1.A5 J1#2.A5 R33.1 R33#2.1
CC2: J1.B5 J1#2.B5 R34.1 R34#2.1
DCCH: U30.AB2 U30#2.AB2
P0.02: K2#2.1 K18#2.2 U30.A12 U30#2.A12
P0.03: K10#2.1 K18.2 U30.B13 U30#2.B13
P0.06: K3.2 K14#2.2 U30.L1 U30#2.L1
P0.07: K4.2 K13#2.2 U30.M2 U30#2.M2
P0.08: U30.N1 U30#2.N1
P0.09: K3#2.1 K17#2.1 U30.L24 U30#2.L24
P0.10: K4#2.1 K5#2.2 U30.J24 U30#2.J24
P0.13: K6.2 K8#2.1 U30.AD8 U30#2.AD8
P0.14: K5.2 U30.AC9 U30#2.AC9
P0.15: K13.1 U30.AD10 U30#2.AD10
P0.16: U30.AC11 U30#2.AC11
P0.24: K2.1 K9.2 U30.AD20 U30#2.AD20
P0.25: K10.1 K12.2 U30.AC21 U30#2.AC21
P0.28: K1#2.1 K9#2.1 U30.B11 U30#2.B11
P0.29: K11#2.2 K17.2 U30.A10 U30#2.A10
P0.30: K6#2.1 K8.2 U30.B9 U30#2.B9
P0.31: K12#2.1 U30.A8 U30#2.A8
P1.03: U30.V23 U30#2.V23
P1.04: K1.2 K15.1 U30.U24 U30#2.U24
P1.05: U30.T23 U30#2.T23
P1.06: K7#2.1 K16#2.2 U30.R24 U30#2.R24
P1.07: U30.P23 U30#2.P23
P1.12: U30.B17 U30#2.B17
P1.13: K11.2 U30.A16 U30#2.A16
P1.14: K14.1 K15#2.2 U30.B15 U30#2.B15
P1.15: K7.2 K16.2 U30.A14 U30#2.A14
PROG: U30.K2 U30#2.K2
SCL: R36.1 R36#2.1 R49.1 R49#2.1 R53.1 R53#2.1 R55.1 R55#2.1 REF**#12.1 REF**#20.1 U30.T2 U30#2.T2 U31.A2 U31#2.A2 U34.2 U34#2.2 U35.4 U35#2.4 U36.4 U36#2.4 U37.7 U37#2.7 U40.1 U40#2.1
SDA: R37.1 R37#2.1 R51.1 R51#2.1 R52.1 R52#2.1 R56.1 R56#2.1 REF**#21.1 REF**#32.1 U30.U1 U30#2.U1 U31.C1 U31#2.C1 U34.3 U34#2.3 U35.3 U35#2.3 U36.1 U36#2.1 U37.1 U37#2.1 U40.11 U40#2.11
Net-(AE1-Pad1): AE1.1 AE1#2.1 C40.1 C40#2.1 R39.2 R39#2.2
Net-(C1-Pad1): C1.1 C1#2.1 Q11.5 Q11#2.5 R11.2 R11#2.2
Net-(C2-Pad1): C2.1 C2#2.1 Q12.5 Q12#2.5 R12.2 R12#2.2
Net-(C3-Pad1): C3.1 C3#2.1 Q13.5 Q13#2.5 R13.2 R13#2.2
Net-(C4-Pad1): C4.1 C4#2.1 Q14.5 Q14#2.5 R14.2 R14#2.2
Net-(C5-Pad1): C5.1 C5#2.1 Q15.5 Q15#2.5 R15.2 R15#2.2
Net-(C6-Pad1): C6.1 C6#2.1 Q16.5 Q16#2.5 R16.2 R16#2.2
Net-(C7-Pad1): C7.1 C7#2.1 Q17.5 Q17#2.5 R17.2 R17#2.2
Net-(C8-Pad1): C8.1 C8#2.1 Q18.5 Q18#2.5 R18.2 R18#2.2
Net-(C9-Pad1): C9.1 C9#2.1 Q23.5 Q23#2.5 R23.2 R23#2.2
Net-(C10-Pad1): C10.1 C10#2.1 Q24.5 Q24#2.5 R24.2 R24#2.2
Net-(C11-Pad1): C11.1 C11#2.1 Q25.5 Q25#2.5 R25.2 R25#2.2
Net-(C12-Pad1): C12.1 C12#2.1 Q26.5 Q26#2.5 R26.2 R26#2.2
Net-(C13-Pad1): C13.1 C13#2.1 Q30.5 Q30#2.5 R30.2 R30#2.2
Net-(C14-Pad1): C14.1 C14#2.1 Q31.5 Q31#2.5 R31.2 R31#2.2
Net-(C22-Pad1): C22.1 C22#2.1 U30.D2 U30#2.D2 X1.1 X1#2.1
Net-(C23-Pad1): C23.1 C23#2.1 U30.F2 U30#2.F2 X1.2 X1#2.2
Net-(C26-Pad2): C26.2 C26#2.2 U30.C1 U30#2.C1
Net-(C27-Pad2): C27.2 C27#2.2 U30.AC5 U30#2.AC5
Net-(C29-Pad1): C29.1 C29#2.1 C30.1 C30#2.1 L1.1 L1#2.1 U30.B5 U30.E24 U30#2.B5 U30#2.E24
Net-(C34-Pad2): C34.2 C34#2.2 U30.N24 U30#2.N24
Net-(C35-Pad2): C35.2 C35#2.2 L3.1 L3#2.1 U30.H23 U30#2.H23
Net-(C36-Pad2): C36.2 C36#2.2 U30.A23 U30#2.A23 X2.3 X2#2.3
Net-(C37-Pad2): C37.2 C37#2.2 U30.B24 U30#2.B24 X2.1 X2#2.1
Net-(C38-Pad1): C38.1 C38#2.1 U30.D23 U30#2.D23
Net-(C39-Pad2): C39.2 C39#2.2 L3.2 L3#2.2 R39.1 R39#2.1
Net-(C41-Pad2): C41.2 C41#2.2 U31.B3 U31#2.B3
Net-(C49-Pad1): C49.1 C49#2.1 U40.4 U40#2.4
Net-(D1-Pad1): D1.1 D1#2.1 Q1.2 Q1#2.2 U1.1 U1.3 U1#2.1 U1#2.3
Net-(D2-Pad1): D2.1 D2#2.1 R38.1 R38#2.1
Net-(D2-Pad2): D2.2 D2#2.2 U30.A20 U30#2.A20
Net-(D3-Pad2): D3.2 D3#2.2 L4.2 L4#2.2 U32.3 U32#2.3
Net-(D4-Pad1): D4.1 D4#2.1 R44.1 R44#2.1
Net-(J1-PadA6): J1.A6 J1.B6 J1#2.A6 J1#2.B6 U28.3 U28#2.3
Net-(J1-PadA7): J1.A7 J1.B7 J1#2.A7 J1#2.B7 U28.1 U28#2.1
Net-(JP1-Pad1): JP1.1 JP1#2.1 JP2.2 JP2#2.2 R35.1 R35#2.1 U29.3 U29#2.3
Net-(JP1-Pad2): JP1.2 JP1#2.2 U30.P2 U30#2.P2
Net-(JP2-Pad1): JP2.1 JP2#2.1 U30.AC13 U30#2.AC13
Net-(L1-Pad2): L1.2 L1#2.2 L2.1 L2#2.1
Net-(L2-Pad2): L2.2 L2#2.2 U30.B3 U30#2.B3
Net-(Q2-Pad1): Q2.1 Q2#2.1 U3.4 U3#2.4
Net-(Q10-Pad4): Q10.4 Q10#2.4 Q18.3 Q18#2.3
Net-(Q10-Pad6): Q10.6 Q10#2.6 Q18.1 Q18#2.1
Net-(Q11-Pad1): Q3.6 Q3#2.6 Q11.1 Q11#2.1
Net-(Q11-Pad2): Q11.2 Q11#2.2 R3.2 R3#2.2
Net-(Q11-Pad3): Q3.4 Q3#2.4 Q11.3 Q11#2.3
Net-(Q12-Pad1): Q4.6 Q4#2.6 Q12.1 Q12#2.1
Net-(Q12-Pad2): Q12.2 Q12#2.2 R4.2 R4#2.2
Net-(Q12-Pad3): Q4.4 Q4#2.4 Q12.3 Q12#2.3
Net-(Q13-Pad1): Q5.6 Q5#2.6 Q13.1 Q13#2.1
Net-(Q13-Pad2): Q13.2 Q13#2.2 R5.2 R5#2.2
Net-(Q13-Pad3): Q5.4 Q5#2.4 Q13.3 Q13#2.3
Net-(Q14-Pad1): Q6.6 Q6#2.6 Q14.1 Q14#2.1
Net-(Q14-Pad2): Q14.2 Q14#2.2 R6.2 R6#2.2
Net-(Q14-Pad3): Q6.4 Q6#2.4 Q14.3 Q14#2.3
Net-(Q15-Pad1): Q7.6 Q7#2.6 Q15.1 Q15#2.1
Net-(Q15-Pad2): Q15.2 Q15#2.2 R7.2 R7#2.2
Net-(Q15-Pad3): Q7.4 Q7#2.4 Q15.3 Q15#2.3
Net-(Q16-Pad1): Q8.6 Q8#2.6 Q16.1 Q16#2.1
Net-(Q16-Pad2): Q16.2 Q16#2.2 R8.2 R8#2.2
Net-(Q16-Pad3): Q8.4 Q8#2.4 Q16.3 Q16#2.3
Net-(Q17-Pad1): Q9.6 Q9#2.6 Q17.1 Q17#2.1
Net-(Q17-Pad2): Q17.2 Q17#2.2 R9.2 R9#2.2
Net-(Q17-Pad3): Q9.4 Q9#2.4 Q17.3 Q17#2.3
Net-(Q18-Pad2): Q18.2 Q18#2.2 R10.2 R10#2.2
Net-(Q19-Pad4): Q19.4 Q19#2.4 Q23.3 Q23#2.3
Net-(Q19-Pad6): Q19.6 Q19#2.6 Q23.1 Q23#2.1
Net-(Q20-Pad4): Q20.4 Q20#2.4 Q24.3 Q24#2.3
Net-(Q20-Pad6): Q20.6 Q20#2.6 Q24.1 Q24#2.1
Net-(Q21-Pad4): Q21.4 Q21#2.4 Q25.3 Q25#2.3
Net-(Q21-Pad6): Q21.6 Q21#2.6 Q25.1 Q25#2.1
Net-(Q22-Pad4): Q22.4 Q22#2.4 Q26.3 Q26#2.3
Net-(Q22-Pad6): Q22.6 Q22#2.6 Q26.1 Q26#2.1
Net-(Q23-Pad2): Q23.2 Q23#2.2 R19.2 R19#2.2
Net-(Q24-Pad2): Q24.2 Q24#2.2 R20.2 R20#2.2
Net-(Q25-Pad2): Q25.2 Q25#2.2 R21.2 R21#2.2
Net-(Q26-Pad2): Q26.2 Q26#2.2 R22.2 R22#2.2
Net-(Q27-Pad4): Q27.4 Q27#2.4 Q30.3 Q30#2.3
Net-(Q27-Pad6): Q27.6 Q27#2.6 Q30.1 Q30#2.1
Net-(Q28-Pad4): Q28.4 Q28#2.4 Q31.3 Q31#2.3
Net-(Q28-Pad6): Q28.6 Q28#2.6 Q31.1 Q31#2.1
Net-(Q30-Pad2): Q30.2 Q30#2.2 R27.2 R27#2.2
Net-(Q31-Pad2): Q31.2 Q31#2.2 R28.2 R28#2.2
Net-(R43-Pad1): R43.1 R43#2.1 TH1.1 TH1#2.1 U31.A1 U31#2.A1
Net-(R43-Pad2): R43.2 R43#2.2 U31.C2 U31#2.C2
Net-(R44-Pad2): R44.2 R44#2.2 U33.1 U33#2.1
Net-(R45-Pad1): R45.1 R45#2.1 U33.5 U33#2.5
Net-(U2-Pad3): U2.3 U2#2.3 U3.1 U3#2.1
Net-(U4-Pad4): U4.4 U4#2.4 U5.1 U5#2.1
Net-(U5-Pad4): U5.4 U5#2.4 U6.1 U6#2.1
Net-(U6-Pad4): U6.4 U6#2.4 U7.1 U7#2.1
Net-(U7-Pad4): U7.4 U7#2.4 U8.1 U8#2.1
Net-(U8-Pad4): U8.4 U8#2.4 U9.1 U9#2.1
Net-(U10-Pad1): U9.4 U9#2.4 U10.1 U10#2.1
Net-(U10-Pad4): U10.4 U10#2.4 U11.1 U11#2.1
Net-(U11-Pad4): U11.4 U11#2.4 U12.1 U12#2.1
Net-(U12-Pad4): U12.4 U12#2.4 U13.1 U13#2.1
Net-(U13-Pad4): U13.4 U13#2.4 U14.1 U14#2.1
Net-(U14-Pad4): U14.4 U14#2.4 U15.1 U15#2.1
Net-(U15-Pad4): U15.4 U15#2.4 U16.1 U16#2.1
Net-(U16-Pad4): U16.4 U16#2.4 U17.1 U17#2.1
Net-(U17-Pad4): U17.4 U17#2.4 U18.1 U18#2.1
Net-(U18-Pad4): U18.4 U18#2.4 U19.1 U19#2.1
Net-(U19-Pad4): U19.4 U19#2.4 U20.1 U20#2.1
Net-(U20-Pad4): U20.4 U20#2.4 U21.1 U21#2.1
Net-(U21-Pad4): U21.4 U21#2.4 U22.1 U22#2.1
Net-(U22-Pad4): U22.4 U22#2.4 U23.1 U23#2.1
Net-(U23-Pad4): U23.4 U23#2.4 U24.1 U24#2.1
Net-(U24-Pad4): U24.4 U24#2.4 U25.1 U25#2.1
Net-(U25-Pad4): U25.4 U25#2.4 U26.1 U26#2.1
Net-(U26-Pad4): U26.4 U26#2.4 U27.1 U27#2.1
Net-(U37-Pad3): U37.3 U37.4 U37#2.3 U37#2.4

Pads without a net: B15 1; C15 1 2; J1 A8 B8 S1 S2 S3 S4; J1#2 A8 B8 S1 S2 S3 S4; Q3 2 5; Q3#2 2 5; Q4 2 5; Q4#2 2 5; Q5 2 5; Q5#2 2 5; Q6 2 5; Q6#2 2 5; Q7 2 5; Q7#2 2 5; Q8 2 5; Q8#2 2 5; Q9 2 5; Q9#2 2 5; Q10 2 5; Q10#2 2 5; Q11 4; Q11#2 4; Q12 4; Q12#2 4; Q13 4; Q13#2 4; Q14 4; Q14#2 4; Q15 4; Q15#2 4; Q16 4; Q16#2 4; Q17 4; Q17#2 4; Q18 4; Q18#2 4; Q19 2 5; Q19#2 2 5; Q20 2 5; Q20#2 2 5; Q21 2 5; Q21#2 2 5; Q22 2 5; Q22#2 2 5; Q23 4; Q23#2 4; Q24 4; Q24#2 4; Q25 4; Q25#2 4; Q26 4; Q26#2 4; Q27 2 5; Q27#2 2 5; Q28 2 5; Q28#2 2 5; Q29 1 2 4 5 6; Q30 4; Q30#2 4; Q31 4; Q31#2 4; Q32 1 2 3 4 5 6; R29 2; R32 2; U1 4; U1#2 4; U2 1 4; U2#2 1 4; U3 5; U3#2 5; U4 1; U4#2 1; U29 1 4; U29#2 1 4; U30 A18; U30#2 A18; U31 B2; U31#2 B2; U34 6 14; U34#2 6 14; U36 3; U36#2 3; U39 9; U39#2 9; U40 7 8; U40#2 7 8

## Via types
v1: diameter 1, hole 0.5, Top to Bottom, 35 vias
v2: diameter 0.5, hole 0.25, Top to Bottom, 658 vias
v3: diameter 0.54, hole 0.25, Top to Bottom, 7 vias

## Routing (per net, layer and track width the routed paths; a pad name or vN(x,y) marks a point on that pad's centre or on a via; arc(x,y) is an arc through that point)
/ExtVcc/GND_EN: length 225.5
  Top w0.25: v2(48.62,34.5) 48.62,34.36 48.44,34.17 U30#2.R1 ; v2(146.4,34.39) 146.4,33.79 arc(146.43,33.64) U30.R1
  In1.Cu w0.15: v2(146.4,34.39) arc(146.25,34.18) 146.2,33.92 146.2,32.57 arc(146.49,31.13) 147.31,29.91 148.49,28.72 arc(149.14,28.29) 149.89,28.14 152.19,28.14 arc(152.86,28.28) 153.42,28.65 arc(154.08,29.64) 154.31,30.8 154.31,79.13 arc(154.24,79.53) 154.01,79.87 151.1,82.78 arc(150.08,84.3) 149.72,86.09 arc(149.87,86.83) 150.29,87.46 150.36,87.53 arc(150.6,87.89) 150.68,88.31 150.68,89.94 arc(150.86,90.81) 151.35,91.55 arc(152.06,92.62) 152.31,93.87 152.31,97.9 arc(152.19,98.2) 151.89,98.32 151.79,98.32 arc(151.34,98.41) 150.96,98.66 arc(150.5,99.36) 150.33,100.18 150.33,104.03 arc(150.56,105.18) 151.21,106.15 151.23,106.17 arc(151.64,106.78) 151.78,107.5 151.78,107.58 arc(151.63,108.35) 151.19,109 150.49,109.71 arc(149.35,110.47) v2(148.01,110.73) ; v2(48.62,34.5) arc(48.54,34.38) 48.52,34.24 48.52,33.78 arc(48.55,33.6) 48.66,33.44 48.87,33.23 arc(49.07,32.92) 49.15,32.55 49.15,32.37 arc(49.33,31.94) 49.76,31.76 50.67,31.76 arc(51.11,31.85) 51.49,32.1 arc(51.95,32.79) 52.11,33.6 52.11,36.13 arc(51.96,36.88) 51.54,37.51 51.49,37.55 arc(51.09,38.15) 50.95,38.86 50.95,39.74 arc(51.13,40.67) 51.66,41.45 52.28,42.07 arc(52.63,42.59) 52.75,43.2 52.75,43.34 arc(52.66,43.78) 52.41,44.16 52.23,44.34 arc(51.77,45.03) 51.61,45.84 51.61,45.98 arc(51.78,46.83) 52.26,47.55 52.52,47.82 arc(52.77,48.19) 52.86,48.62 52.86,49.15 arc(53.45,52.15) 55.16,54.7 55.53,55.07 arc(56.29,56.21) 56.56,57.55 56.56,57.96 arc(56.97,60.07) 58.17,61.85 arc(59.91,63.01) 61.96,63.42 62.17,63.42 arc(63.78,63.74) 65.15,64.66 66.59,66.1 arc(67.3,67.15) 67.55,68.4 67.55,68.52 arc(68.21,70.11) 69.8,70.77 arc(70.33,70.88) 70.79,71.18 71.27,71.66 arc(72.64,73.71) 73.12,76.13 73.12,83.45 arc(73.66,84.75) 74.96,85.29 75.02,85.29 arc(75.54,85.39) 75.99,85.69 arc(76.22,86.04) 76.31,86.46 76.31,87.76 arc(75.92,89.69) 74.83,91.33 arc(74.43,91.92) 74.3,92.61 74.3,96.33 arc(74,97.84) 73.15,99.11 72.04,100.22 arc(71.33,101.27) 71.09,102.52 71.09,105.9 arc(70.49,108.92) 68.78,111.48 arc(67.87,112.09) 66.8,112.3 57.45,112.3 arc(56.67,112.46) v2(56,112.9)
  Bottom w0.5: REF**#44.1 51.76,111.67 arc(52.56,112.21) 53.52,112.4 53.83,112.4 arc(54.33,112.3) 54.75,112.02 arc(55.1,111.78) 55.52,111.7 Q33#2.1 56.24,112.67 v2(56,112.9) ; 148.04,110.76 R46#2.1 ; REF**#8.1 147.31,109.09 arc(147.49,109.97) Q33.1
